# Altium PCB PCB-Tester-Relay-Board.PcbDoc (part 1 of 4) (continued)
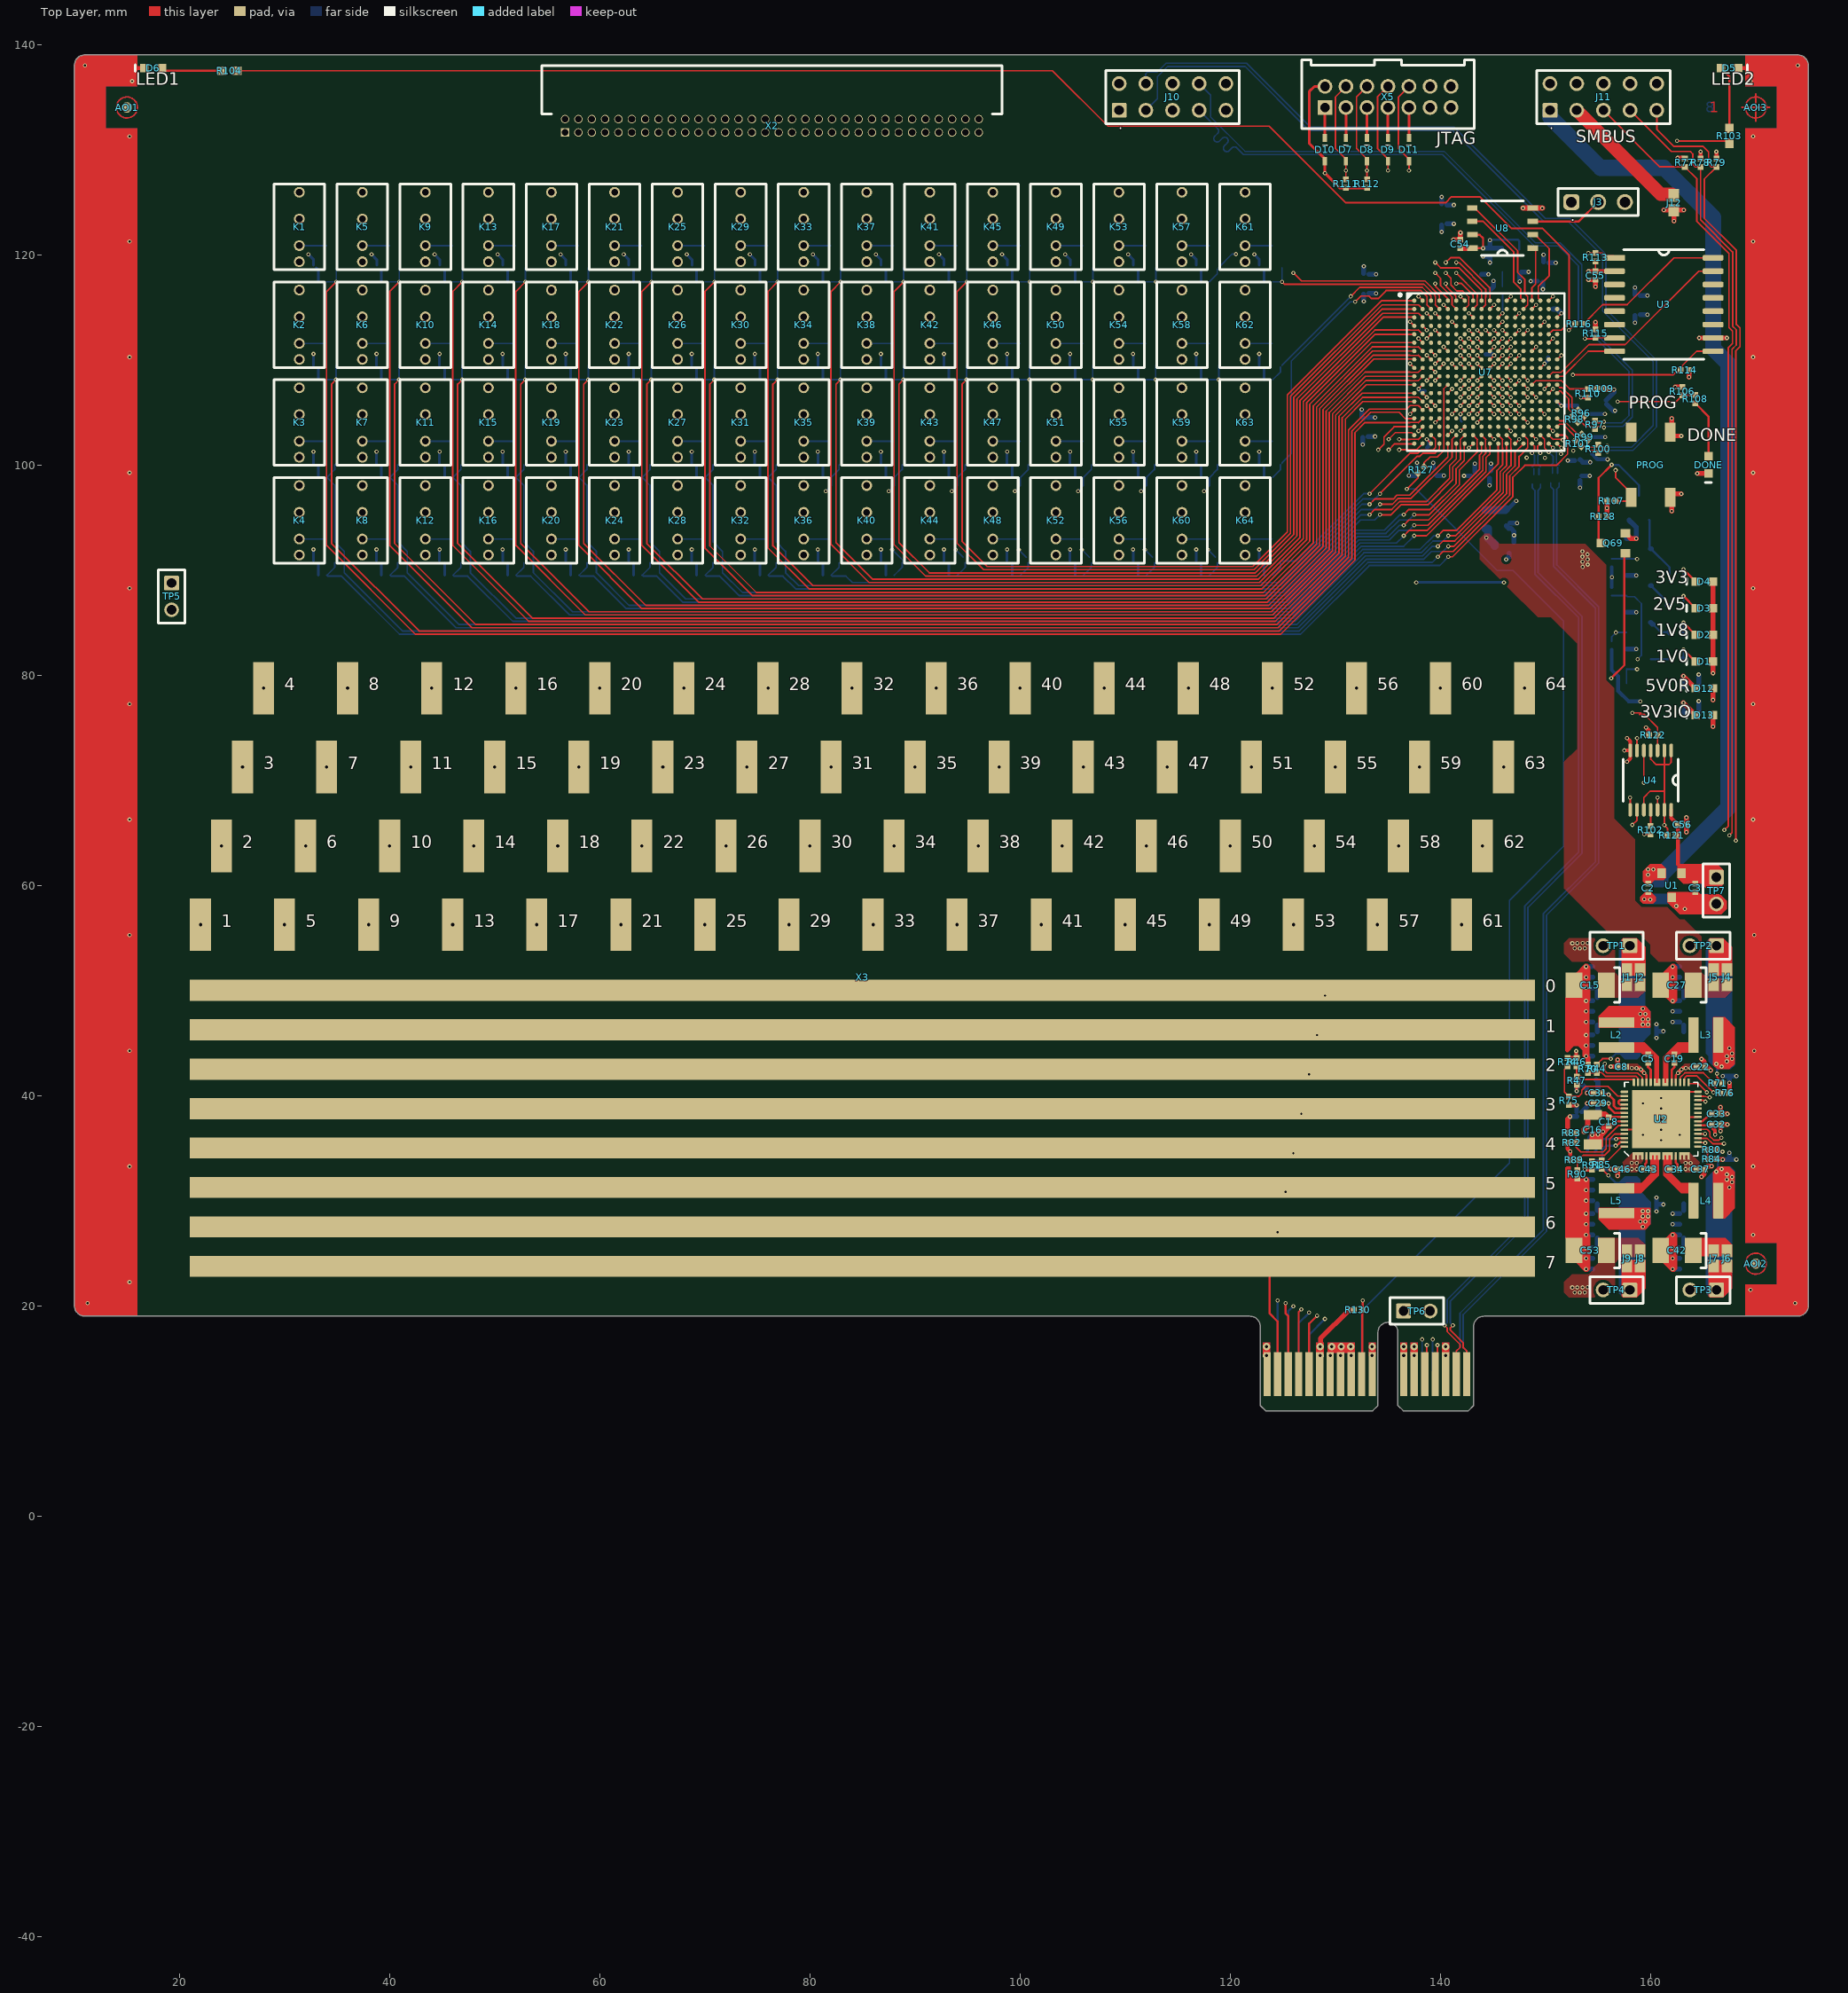
[diagram p0: Top Layer view]
## Components (designator, comment, footprint, x,y, rotation, side; value= is the part's Value field where it differs from the comment) (continued)
K53 "K" 118-1A 109.402,122.628 r90 top
K54 "K" 118-1A 109.402,113.326 r90 top
K55 "K" 118-1A 109.402,104.024 r90 top
K56 "K" 118-1A 109.402,94.722 r90 top
K57 "K" 118-1A 115.402,122.628 r90 top
K58 "K" 118-1A 115.402,113.326 r90 top
K59 "K" 118-1A 115.402,104.024 r90 top
K60 "K" 118-1A 115.402,94.722 r90 top
K61 "K" 118-1A 121.402,122.628 r90 top
K62 "K" 118-1A 121.402,113.326 r90 top
K63 "K" 118-1A 121.402,104.024 r90 top
K64 "K" 118-1A 121.402,94.722 r90 top
L1 "L" FB0805 144.277,94.817 r90 bottom
L2 "L" XAL4030 156.75,45.75 r90 top
L3 "L" XAL4030 165.25,45.75 r0 top
L4 "L" XAL4030 165.25,30 r0 top value=DNM
L5 "L" XAL4030 156.75,30 r270 top
PROG "SKQGABE010" SKQGABE010 160,100 r90 top
Q1 "Q" SOT23-3 33.966,119.896 r0 bottom
Q2 "Q" SOT23-3 33.966,110.594 r0 bottom
Q3 "Q" SOT23-3 33.966,101.292 r0 bottom
Q4 "Q" SOT23-3 33.966,91.99 r0 bottom
Q5 "Q" SOT23-3 39.966,119.896 r0 bottom
Q6 "Q" SOT23-3 39.966,110.594 r0 bottom
Q7 "Q" SOT23-3 39.966,101.292 r0 bottom
Q8 "Q" SOT23-3 39.966,91.99 r0 bottom
Q9 "Q" SOT23-3 45.966,119.896 r0 bottom
Q10 "Q" SOT23-3 45.966,110.594 r0 bottom
Q11 "Q" SOT23-3 45.966,101.292 r0 bottom
Q12 "Q" SOT23-3 45.966,91.99 r0 bottom
Q13 "Q" SOT23-3 51.966,119.896 r0 bottom
Q14 "Q" SOT23-3 51.966,110.594 r0 bottom
Q15 "Q" SOT23-3 51.966,101.292 r0 bottom
Q16 "Q" SOT23-3 51.966,91.99 r0 bottom
Q17 "Q" SOT23-3 57.941,119.896 r0 bottom
Q18 "Q" SOT23-3 57.966,110.594 r0 bottom
Q19 "Q" SOT23-3 57.966,101.292 r0 bottom
Q20 "Q" SOT23-3 57.966,92.072 r0 bottom
Q21 "Q" SOT23-3 63.986,119.896 r0 bottom
Q22 "Q" SOT23-3 63.955,110.594 r0 bottom
Q23 "Q" SOT23-3 63.963,101.292 r0 bottom
Q24 "Q" SOT23-3 63.966,92.072 r0 bottom
Q25 "Q" SOT23-3 69.991,119.896 r0 bottom
Q26 "Q" SOT23-3 69.92,110.594 r0 bottom
Q27 "Q" SOT23-3 69.889,101.292 r0 bottom
Q28 "Q" SOT23-3 69.966,91.99 r0 bottom
Q29 "Q" SOT23-3 76.076,119.896 r0 bottom
Q30 "Q" SOT23-3 75.926,110.594 r0 bottom
Q31 "Q" SOT23-3 75.966,101.292 r0 bottom
Q32 "Q" SOT23-3 75.966,91.99 r0 bottom
Q33 "Q" SOT23-3 81.941,119.896 r0 bottom
Q34 "Q" SOT23-3 81.966,110.594 r0 bottom
Q35 "Q" SOT23-3 81.966,101.292 r0 bottom
Q36 "Q" SOT23-3 82.023,91.99 r0 bottom
Q37 "Q" SOT23-3 87.924,119.896 r0 bottom
Q38 "Q" SOT23-3 87.974,110.594 r0 bottom
Q39 "Q" SOT23-3 87.946,101.292 r0 bottom
Q40 "Q" SOT23-3 87.919,91.99 r0 bottom
Q41 "Q" SOT23-3 93.976,119.896 r0 bottom
Q42 "Q" SOT23-3 93.929,110.594 r0 bottom
Q43 "Q" SOT23-3 93.94,101.292 r0 bottom
Q44 "Q" SOT23-3 93.966,91.99 r0 bottom
Q45 "Q" SOT23-3 99.95,119.896 r0 bottom
Q46 "Q" SOT23-3 99.962,110.594 r0 bottom
Q47 "Q" SOT23-3 99.966,101.292 r0 bottom
Q48 "Q" SOT23-3 99.966,91.99 r0 bottom
Q49 "Q" SOT23-3 105.966,119.896 r0 bottom
Q50 "Q" SOT23-3 105.966,110.594 r0 bottom
Q51 "Q" SOT23-3 105.966,101.292 r0 bottom
Q52 "Q" SOT23-3 105.966,91.99 r0 bottom
Q53 "Q" SOT23-3 111.966,119.896 r0 bottom
Q54 "Q" SOT23-3 111.966,110.594 r0 bottom
Q55 "Q" SOT23-3 111.966,101.292 r0 bottom
Q56 "Q" SOT23-3 111.966,91.99 r0 bottom
Q57 "Q" SOT23-3 117.966,119.896 r0 bottom
Q58 "Q" SOT23-3 117.966,110.594 r0 bottom
Q59 "Q" SOT23-3 117.966,101.292 r0 bottom
Q60 "Q" SOT23-3 117.966,91.99 r0 bottom
Q61 "Q" SOT23-3 123.966,119.896 r0 bottom
Q62 "Q" SOT23-3 123.966,110.594 r0 bottom
Q63 "Q" SOT23-3 123.966,101.292 r0 bottom
Q64 "Q" SOT23-3 123.966,91.99 r0 bottom
Q65 "Q" SOT23-3 158.85,81.5 r270 bottom
Q66 "Q" SOT23-3 158.85,85 r270 bottom
Q67 "Q" SOT23-3 158.85,88.5 r270 bottom
Q68 "Q" SOT23-3 158.85,92 r270 bottom
Q69 "Q" SOT23-3 156.45,92.55 r270 top
Q70 "Q" SOT23-3 158.9,95.9 r0 bottom
R1 "R" "R0402 Reflow" 33.625,117.406 r0 bottom value=4K7
R2 "R" "R0402 Reflow" 33.606,108.104 r0 bottom value=4K7
R3 "R" "R0402 Reflow" 33.625,98.802 r0 bottom value=4K7
R4 "R" "R0402 Reflow" 33.625,89.5 r0 bottom value=4K7
R5 "R" "R0402 Reflow" 39.625,117.406 r0 bottom value=4K7
R6 "R" "R0402 Reflow" 39.625,108.104 r0 bottom value=4K7
R7 "R" "R0402 Reflow" 39.606,98.802 r0 bottom value=4K7
R8 "R" "R0402 Reflow" 39.625,89.5 r0 bottom value=4K7
R9 "R" "R0402 Reflow" 45.625,117.406 r0 bottom value=4K7
R10 "R" "R0402 Reflow" 45.625,108.104 r0 bottom value=4K7
R11 "R" "R0402 Reflow" 45.625,98.802 r0 bottom value=4K7
R12 "R" "R0402 Reflow" 45.625,89.5 r0 bottom value=4K7
R13 "R" "R0402 Reflow" 51.625,117.406 r0 bottom value=4K7
R14 "R" "R0402 Reflow" 51.625,108.104 r0 bottom value=4K7
R15 "R" "R0402 Reflow" 51.625,98.802 r0 bottom value=4K7
R16 "R" "R0402 Reflow" 51.625,89.5 r0 bottom value=4K7
R17 "R" "R0402 Reflow" 57.625,117.406 r0 bottom value=4K7
R18 "R" "R0402 Reflow" 57.625,108.104 r0 bottom value=4K7
R19 "R" "R0402 Reflow" 57.625,98.802 r0 bottom value=4K7
R20 "R" "R0402 Reflow" 57.625,89.5 r0 bottom value=4K7
R21 "R" "R0402 Reflow" 63.625,117.406 r0 bottom value=4K7
R22 "R" "R0402 Reflow" 63.625,108.104 r0 bottom value=4K7
R23 "R" "R0402 Reflow" 63.625,98.802 r0 bottom value=4K7
R24 "R" "R0402 Reflow" 63.606,89.5 r0 bottom value=4K7
R25 "R" "R0402 Reflow" 69.625,117.406 r0 bottom value=4K7
R26 "R" "R0402 Reflow" 69.625,108.104 r0 bottom value=4K7
R27 "R" "R0402 Reflow" 69.625,98.802 r0 bottom value=4K7
R28 "R" "R0402 Reflow" 69.606,89.5 r0 bottom value=4K7
R29 "R" "R0402 Reflow" 75.625,117.406 r0 bottom value=4K7
R30 "R" "R0402 Reflow" 75.625,108.104 r0 bottom value=4K7
R31 "R" "R0402 Reflow" 75.625,98.802 r0 bottom value=4K7
R32 "R" "R0402 Reflow" 75.625,89.5 r0 bottom value=4K7
R33 "R" "R0402 Reflow" 81.625,117.406 r0 bottom value=4K7
R34 "R" "R0402 Reflow" 81.625,108.104 r0 bottom value=4K7
R35 "R" "R0402 Reflow" 81.625,98.802 r0 bottom value=4K7
R36 "R" "R0402 Reflow" 81.625,89.5 r0 bottom value=4K7
R37 "R" "R0402 Reflow" 87.625,117.406 r0 bottom value=4K7
R38 "R" "R0402 Reflow" 87.625,108.104 r0 bottom value=4K7
R39 "R" "R0402 Reflow" 87.625,98.802 r0 bottom value=4K7
R40 "R" "R0402 Reflow" 87.625,89.5 r0 bottom value=4K7
R41 "R" "R0402 Reflow" 93.625,117.406 r0 bottom value=4K7
R42 "R" "R0402 Reflow" 93.625,108.104 r0 bottom value=4K7
R43 "R" "R0402 Reflow" 145.9,116.555 r270 bottom value=33
R44 "R" "R0402 Reflow" 154.862,42.56 r90 top value=33
R45 "R" "R0402 Reflow" 157.3,79.199 r180 bottom value=10K
R46 "R" "R0402 Reflow" 152.956,43.179 r90 top value=10K
R47 "R" "R0402 Reflow" 152.962,41.421 r270 top value=DNM
R48 "R" "R0402 Reflow" 93.625,98.802 r0 bottom value=4K7
R49 "R" "R0402 Reflow" 93.625,89.5 r0 bottom value=4K7
R50 "R" "R0402 Reflow" 99.625,117.406 r0 bottom value=4K7
R51 "R" "R0402 Reflow" 99.625,108.104 r0 bottom value=4K7
R52 "R" "R0402 Reflow" 99.606,98.802 r0 bottom value=4K7
R53 "R" "R0402 Reflow" 99.625,89.5 r0 bottom value=4K7
R54 "R" "R0402 Reflow" 105.606,117.406 r0 bottom value=4K7
R55 "R" "R0402 Reflow" 105.606,108.104 r0 bottom value=4K7
R56 "R" "R0402 Reflow" 105.606,98.802 r0 bottom value=4K7
R57 "R" "R0402 Reflow" 105.606,89.5 r0 bottom value=4K7
R58 "R" "R0402 Reflow" 111.606,117.406 r0 bottom value=4K7
R59 "R" "R0402 Reflow" 111.606,108.104 r0 bottom value=4K7
R60 "R" "R0402 Reflow" 111.606,98.802 r0 bottom value=4K7
R61 "R" "R0402 Reflow" 111.606,89.5 r0 bottom value=4K7
R62 "R" "R0402 Reflow" 117.606,117.406 r0 bottom value=4K7
R63 "R" "R0402 Reflow" 117.606,108.104 r0 bottom value=4K7
R64 "R" "R0402 Reflow" 117.606,98.802 r0 bottom value=4K7
R65 "R" "R0402 Reflow" 117.606,89.5 r0 bottom value=4K7
R66 "R" "R0402 Reflow" 123.606,117.406 r0 bottom value=4K7
R67 "R" "R0402 Reflow" 123.606,108.104 r0 bottom value=4K7
R68 "R" "R0402 Reflow" 123.606,98.802 r0 bottom value=4K7
R69 "R" "R0402 Reflow" 123.606,89.5 r0 bottom value=4K7
R70 "R" "R0402 Reflow" 154.014,42.539 r270 top value=DNM
R71 "R" "R0402 Reflow" 166.4,41.177 r0 top value=33
R72 "R" "R0402 Reflow" 155.25,39.75 r270 bottom value=2R2
R73 "R" "R0402 Reflow" 156.3,82.804 r270 bottom value=10K
R74 "R" "R0402 Reflow" 152.089,43.179 r90 top value=10K
R75 "R" "R0402 Reflow" 152.216,39.513 r270 top value=DNM
R76 "R" "R0402 Reflow" 167.049,40.261 r180 top value=DNM
R77 "R" "R0402 Reflow" 163.25,128.75 r90 top value=10K
R78 "R" "R0402 Reflow" 164.75,128.75 r90 top value=10K
R79 "R" "R0402 Reflow" 166.25,128.75 r90 top value=10K
R80 "R" "R0402 Reflow" 165.785,34.849 r0 top value=DNM
R81 "R" "R0402 Reflow" 156.3,87.95 r90 bottom value=DNM
R82 "R" "R0402 Reflow" 152.492,35.528 r180 top value=DNM
R83 "R" "R0402 Reflow" 152.486,36.45 r180 top value=10K
R84 "R" "R0402 Reflow" 165.811,33.96 r180 top value=DNM
R85 "R" "R0402 Reflow" 155.348,33.41 r270 top value=1k
R86 "R" "R0402 Reflow" 154.305,34.678 r0 bottom value=10K
R87 "R" "R0402 Reflow" 154.429,33.356 r90 bottom value=10K
R88 "R" "R0402 Reflow" 156.3,90.65 r270 bottom value=10K
R89 "R" "R0402 Reflow" 152.736,33.867 r180 top value=10K
R90 "R" "R0402 Reflow" 153,32.5 r270 top value=DNM
R91 "R" "R0402 Reflow" 154.4,33.35 r90 top value=1k
R92 "R" "R0603 Reflow" 162.5,81.5 r0 bottom value=1k8
R93 "R" "R0603 Reflow" 162.5,84 r0 bottom value=1k8
R94 "R" "R0603 Reflow" 162.5,86.5 r0 bottom value=DNM
R95 "R" "R0603 Reflow" 162.5,89 r0 bottom value=1k8
R96 "R" "R0402 Reflow" 153.395,104.921 r315 top value=DNM
R97 "R" "R0402 Reflow" 154.695,103.821 r90 top value=DNM
R98 "R" "R0402 Reflow" 152.782,104.32 r315 top value=DNM
R99 "R" "R0402 Reflow" 153.713,102.622 r315 top value=DNM
R100 "R" "R0402 Reflow" 155.013,101.522 r90 top value=DNM
R101 "R" "R0402 Reflow" 153.1,102.021 r315 top value=DNM
R102 "R" "R0402 Reflow" 160,65.25 r90 top value=33
R103 "R" "R0603 Reflow" 167.5,131.3 r270 top value=1k8
R104 "R" "R0603 Reflow" 24.75,137.5 r0 top value=1k8
R105 "R" "R0402 Reflow" 142.4,104.121 r0 bottom value=4K7
R106 "R" "R0402 Reflow" 163,107 r90 top value=330
R107 "R" "R0402 Reflow" 156.25,96.55 r180 top value=4K7
R108 "R" "R0402 Reflow" 164.25,106.25 r270 top value=33
R109 "R" "R0402 Reflow" 155.302,107.221 r0 top value=330
R110 "R" "R0402 Reflow" 154.037,106.787 r90 top value=DNM
R111 "R" "R0402 Reflow" 131,126.75 r270 top value=4K7
R112 "R" "R0402 Reflow" 133,126.75 r270 top value=4K7
R113 "R" "R0402 Reflow" 154.75,119.75 r270 top value=4K7
R114 "R" "R0402 Reflow" 163.25,109 r0 top value=4K7
R115 "R" "R0402 Reflow" 154.75,112.5 r90 top value=4K7
R116 "R" "R0402 Reflow" 153.197,113.395 r0 top value=33
R117 "R" "R0402 Reflow" 150.491,98.668 r270 bottom value=1k
R118 "R" "R0402 Reflow" 151.291,98.668 r270 bottom value=1k
R119 "R" "R0402 Reflow" 148.724,98.571 r270 bottom value=1k
R120 "R" "R0402 Reflow" 149.524,98.571 r270 bottom value=1k
R121 "R" "R0402 Reflow" 162,64.75 r0 top value=10k
R122 "R" "R0402 Reflow" 160.25,74.3 r180 top value=4K7
R123 "R" "R0402 Reflow" 149.123,99.832 r0 bottom value=DNM
R124 "R" "R0402 Reflow" 150.891,99.942 r0 bottom value=DNM
R125 "R" "R0603 Reflow" 163.868,78.942 r180 bottom value=3k6
R126 "R" "R0603 Reflow" 163.868,76.407 r180 bottom value=1k8
R127 "R" "R0402 Reflow" 138.15,99.5 r45 top value=1k
R128 "R" "R0402 Reflow" 155.45,95.1 r180 top value=10K
R129 "R" "R0402 Reflow" 132.2,19.6 r0 bottom value=4K7
R130 "R" "R0402 Reflow" 132.15,19.6 r0 top value=4K7
TP1 "TP" "DualTestpoint 100mils" 156.75,54.25 r180 top
TP2 "TP" "DualTestpoint 100mils" 165,54.25 r180 top
TP3 "TP" "DualTestpoint 100mils" 165,21.5 r180 top
TP4 "TP" "DualTestpoint 100mils" 156.75,21.5 r180 top
TP5 "TP" "DualTestpoint 100mils" 19.25,87.48 r270 top
TP6 "TP" "DualTestpoint 100mils" 137.75,19.5 r0 top
TP7 "TP" "DualTestpoint 100mils" 166.25,59.5 r270 top
U1 "U" SOT23-3 162,60 r0 top
U2 "IRPS5401M" QFN4-7x7-56_IRPS5401M 161,37.75 r90 top
U3 "U" SOICW-16 161.25,115.25 r0 top
U4 "U" TSSOP14 160,70 r270 top
U7 "U" XC7A15T-1CSG324C 144.3,108.821 r0 top
U8 "U" "SOIC8 (R-8)" 145.9,122.521 r90 top
X2 "X" TFC-132-01-F-D-RA 76.379,132.253 r0 top
X3 "X" CONFIG64 85,67.5 r0 top
X4 "X" PCIE-036-02-F-D-Fingers 135,10 r180 bottom locked
X5 "X" LTMM-107-02-F-D 135,135 r0 top locked
Y1 "Y" 4SMD 146.717,119.404 r270 bottom

## Footprints (in the part's own frame and the unit in brackets; to place one, negate y for a bottom-side part, rotate by r counter-clockwise, add the part's x,y. Pads: shape width x height; smd on the part's side, far side on the other; paste and mask are expansions set on the pad)
4SMD [mm]
  rect 0.9x0.65 smd paste+0: 1(-1.05,-0.825) 2(1.05,-0.825) 3(1.05,0.825) 4(-1.05,0.825)
  silkscreen extent -1.1,-2.1 -0.9,-1.9, body extent -1.6,-1.25 1.6,1.25, height 1.2
118-1A [mil] "ATE Relay (NO)"
  round 40 hole 25: 1(-130,0) 2(-70,0) 3(30,0) 4(130,0)
  silkscreen extent -160,-95 160,95, body extent -160,-95 160,94, height 600
"C0402 Reflow" [mm] "SMT CAP 0402 Reflow Soldering"
  rect 0.55x0.55 smd: 1(-0.4,0) 2(0.4,0)
  body extent -0.5,-0.25 0.5,0.25, height 0.5
"C0805 Reflow" [mm] "SMT Capacitor 0805 Reflow Soldering"
  rect 0.95x1.35 smd: 1(-0.8,0) 2(0.8,0)
  body extent -1,-0.62 1,0.63, height 0.6
"C1206 Reflow" [mm] "SMT Capacitor 1206 Reflow Soldering"
  rect 0.95x1.7 smd: 1(-1.4,0) 2(1.4,0)
  body extent -1.6,-0.8 1.6,0.8, height 0.78
"C1210 Reflow" [mm] "SMT Capacitor 1210 Reflow Soldering"
  rect 1.1x2.6 smd: 1(-1.6,0) 2(1.6,0)
  body extent -1.6,-1.25 1.6,1.25, height 0.78
CAP_TAN_B [mm] "Tantalum capacitor in case B"
  rect 1.6x2.4 smd mask+0.05: 1(-1.55,0) 2(1.55,0)
  silkscreen extent -2.79,-1.65 -2.29,1.65, body extent -1.9,-1.5 1.9,1.5, height 2.1
CONFIG64 [mm] "PCB Tester Configuration area (64 relays)"
  rect 2x5 smd: 1(-63,-11.25) 2(-61,-3.75) 3(-59,3.75) 4(-57,11.25) 5(-55,-11.25) 6(-53,-3.75) 7(-51,3.75) 8(-49,11.25) 9(-47,-11.25) 10(-45,-3.75) 11(-43,3.75) 12(-41,11.25) 13(-39,-11.25) 14(-37,-3.75) 15(-35,3.75) 16(-33,11.25) 17(-31,-11.25) 18(-29,-3.75) 19(-27,3.75) 20(-25,11.25) 21(-23,-11.25) 22(-21,-3.75) 23(-19,3.75) 24(-17,11.25) 25(-15,-11.25) 26(-13,-3.75) 27(-11,3.75) 28(-9,11.25) 29(-7,-11.25) 30(-5,-3.75) 31(-3,3.75) 32(-1,11.25) 33(1,-11.25) 34(3,-3.75) 35(5,3.75) 36(7,11.25) 37(9,-11.25) 38(11,-3.75) 39(13,3.75) 40(15,11.25) 41(17,-11.25) 42(19,-3.75) 43(21,3.75) 44(23,11.25) 45(25,-11.25) 46(27,-3.75) 47(29,3.75) 48(31,11.25) 49(33,-11.25) 50(35,-3.75) 51(37,3.75) 52(39,11.25) 53(41,-11.25) 54(43,-3.75) 55(45,3.75) 56(47,11.25) 57(49,-11.25) 58(51,-3.75) 59(53,3.75) 60(55,11.25) 61(57,-11.25) 62(59,-3.75) 63(61,3.75) 64(63,11.25)
  rect 128x2 smd paste-100: ABUS0(0,-17.5) ABUS1(0,-21.25) ABUS2(0,-25) ABUS3(0,-28.75) ABUS4(0,-32.5) ABUS5(0,-36.25) ABUS6(0,-40) ABUS7(0,-43.75)
"DualTestpoint 100mils" [mm] "Testpoint"
  rrect15% 1.4x1.4 hole 0.9: 1(-1.27,0)
  round 1.4 hole 0.9: 2(1.27,0)
  silkscreen extent -2.54,-1.27 2.54,1.27
FB0805 [mm] "SMT Ferrite Bead 0805"
  rect 0.8x1.3 smd: 1(-0.9,0) 2(0.9,0)
  body extent -1.15,-0.63 1.15,0.64, height 1.05
"Fiducial Cross" [mm]
  Top Layer circle w0.15: c0,0 r1
  Top Layer lines w0.15: 0,1.3 0,-1.3 ; -1.3,0 1.3,0
"Fiducial Point" [mm]
  round 1 smd paste+0 mask+0: 0(0,0)
  Top Layer circle w0.15: c0,0 r1
"Header 100mil 3x1" [mil] "HMTSW-103-07-G-S-240"
  rrect50% 60x60 hole 40: 1(-100,0)
  round 60 hole 40: 2(0,0) 3(100,0)
  silkscreen extent -150,-50 150,50, body extent -150,-49 150,49, height 340
"Header 100mil 5x2" [mm]
  rrect15% 1.4x1.4 hole 0.9: 1(-5.08,-1.27)
  round 1.4 hole 0.9: 2(-5.08,1.27) 3(-2.54,-1.27) 4(-2.54,1.27) 5(0,-1.27) 6(0,1.27) 7(2.54,-1.27) 8(2.54,1.27) 9(5.08,-1.27) 10(5.08,1.27)
  silkscreen extent -6.35,-2.54 6.35,2.51, body extent -6.35,-2.51 6.35,2.51, height 8.64
JumperSMD [mm] "Chip Resistor, Body 1.6x0.8mm (LxW typ), IPC High Density"
  rect 1.2x1 smd: 1(-0.711,0) 2(0.711,0)
  body extent -0.89,-0.4 0.71,0.4, height 0.45
L0603G [mm] "LTST-C191KGKT"
  rect 0.8x0.8 smd: 1(-0.825,0) 2(0.825,0)
  silkscreen extent 1.7,-0.3 1.7,0.3, body extent -0.8,-0.4 0.8,0.4, height 0.8
LTMM-107-02-F-D [mm] "CONN HEADER VERT 14POS 2MM (Xilinx JTAG)"
  rect 1.4x1.4 hole 0.9 paste+0: 1(-6,-1)
  round 1.4 hole 0.9 paste+0: 2(-6,1) 3(-4,-1) 4(-4,1) 5(-2,-1) 6(-2,1) 7(0,-1) 8(0,1) 9(2,-1) 10(2,1) 11(4,-1) 12(4,1) 13(6,-1) 14(6,1)
  silkscreen extent -8.19,-3.01 8.19,3.52, body extent -8.19,-3.01 8.19,3.52, height 4.83
PCIE-036-02-F-D-Fingers [mm] "PCB contacts for PCIE-036-02-F-D-TH"
  rect 0.7x3.2 smd paste-2: A1(11.5,4)
  rect 0.7x4.2 smd paste-2: A2(10.5,3.5) A3(9.5,3.5) A4(8.5,3.5) A5(7.5,3.5) A6(6.5,3.5) A7(5.5,3.5) A8(4.5,3.5) A9(3.5,3.5) A10(2.5,3.5) A11(1.5,3.5) A12(-1.5,3.5) A13(-2.5,3.5) A14(-3.5,3.5) A15(-4.5,3.5) A16(-5.5,3.5) A17(-6.5,3.5) A18(-7.5,3.5)
  rect 0.7x4.2 smd far side paste-2: B1(11.5,3.5) B2(10.5,3.5) B3(9.5,3.5) B4(8.5,3.5) B5(7.5,3.5) B6(6.5,3.5) B7(5.5,3.5) B8(4.5,3.5) B9(3.5,3.5) B10(2.5,3.5) B11(1.5,3.5) B12(-1.5,3.5) B13(-2.5,3.5) B14(-3.5,3.5) B15(-4.5,3.5) B16(-5.5,3.5) B17(-6.5,3.5) B18(-7.5,3.5)
QFN4-7x7-56_IRPS5401M [mm] "QFN, 7x7mm, 56 pins, pitch 0.4mm, IRPS5401 version"
  rrect33% 0.7x0.22 smd: 1(-3.5,1.8) 1(-3.5,2.2) 4(-3.5,1.4) 5(-3.5,0.2) 5(-3.5,0.6) 5(-3.5,1) 8(-3.5,-1) 8(-3.5,-0.6) 8(-3.5,-0.2) 11(-3.5,-1.4) 12(-3.5,-2.6) 12(-3.5,-2.2) 12(-3.5,-1.8) 29(3.5,-2.6) 30(3.5,-2.2) 31(3.5,-1.8) 32(3.5,-1.4) 33(3.5,-1) 34(3.5,-0.6) 34(3.5,-0.2) 36(3.5,0.2) 36(3.5,0.6) 38(3.5,1) 39(3.5,1.4) 40(3.5,1.8) 41(3.5,2.2) 42(3.5,2.6)
  rect 0.7x0.22 smd: 1(-3.5,2.6)
  rect 0.31x1.02 smd: 1(-3.3,2.2) 5(-3.3,0.6) 8(-3.3,-0.6) 12(-3.3,-2.2)
  rrect33% 0.22x0.7 smd: 15(-2.6,-3.5) 16(-2.2,-3.5) 17(-1.8,-3.5) 18(-1.4,-3.5) 19(-1,-3.5) 20(-0.6,-3.5) 21(-0.2,-3.5) 22(0.2,-3.5) 23(0.6,-3.5) 24(1,-3.5) 25(1.4,-3.5) 26(1.8,-3.5) 27(2.2,-3.5) 28(2.6,-3.5) 43(2.6,3.5) 44(2.2,3.5) 45(1.8,3.5) 46(1.4,3.5) 47(1,3.5) 48(0.6,3.5) 49(0.2,3.5) 50(-0.2,3.5) 51(-0.6,3.5) 52(-1,3.5) 53(-1.4,3.5) 54(-1.8,3.5) 55(-2.2,3.5) 56(-2.6,3.5)
  rect 0.31x0.62 smd: 34(3.3,-0.4) 36(3.3,0.4)
  rect 5.5x5.5 smd: 57(0,0)
  silkscreen extent -3.5,-3.5 3.5,3.5, body extent -3.5,-3.5 3.5,3.5, height 1
"R0402 Reflow" [mm] "SMT Resistor 0402 Reflow Soldering"
  rect 0.55x0.55 smd: 1(-0.4,0) 2(0.4,0)
  body extent -0.5,-0.25 0.5,0.25, height 0.35
"R0603 Reflow" [mm] "SMT Resistor 0603 Reflow Soldering"
  rect 0.9x0.8 smd: 1(-0.7,0) 2(0.7,0)
  body extent -0.8,-0.4 0.8,0.4, height 0.45
SKQGABE010 [mm] "5.2mm square low-profile TACT switch"
  rect 1.8x1 smd: 1(-3.1,1.85) 2(3.1,1.85) 3(-3.1,-1.85) 4(3.1,-1.85)
  body extent -3.2,-2.6 3.2,2.6, height 1.5
SOD323 [mm] "Plastic surface-mounted package; 2 leads"
  rect 0.8x0.4 smd: 1(-1.1,0) 2(1.1,0)
  silkscreen extent -0.4,-0.2 -0.4,0.2, body extent -1.35,-0.7 1.35,0.7, height 1.01
"SOIC8 (R-8)" [mil] "Generic 8 lead SOIC Narrow Body"
  rect 20x39 smd: 1(-75,-113) 2(-25,-113) 3(25,-113) 4(75,-113) 5(75,113) 6(25,113)
  rect 20x40 smd: 7(-25,113) 8(-75,113)
  silkscreen extent -102,-79 102,79, body extent -98,-122 98,122, height 69
SOICW-16 [mm] "16-lead wide SOIC package"
  rect 1.98x0.53 smd: 1(-4.685,4.445)
  rrect50% 1.98x0.53 smd: 2(-4.685,3.175) 3(-4.685,1.905) 4(-4.685,0.635) 5(-4.685,-0.635) 6(-4.685,-1.905) 7(-4.685,-3.175) 8(-4.685,-4.445) 9(4.685,-4.445) 10(4.685,-3.175) 11(4.685,-1.905) 12(4.685,-0.635) 13(4.685,0.635) 14(4.685,1.905) 15(4.685,3.175) 16(4.685,4.445)
  silkscreen extent -3.81,-5.21 3.81,5.21, body extent -5.33,-5.25 5.33,5.25, height 2.66
SOT23-3 [mm]
  rect 0.8x0.9 smd mask+0.1: 1(0.95,1.15) 2(-0.95,1.15) 3(0,-1.15)
  body extent -1.45,-1.4 1.45,1.4, height 1.3
TFC-132-01-F-D-RA [mm] "64 pin box header right angled"
  rect 0.8x0.8 hole 0.635 paste+0: 1(-19.685,-0.635)
  round 0.8 hole 0.635 paste+0: 2(-19.685,0.635) 3(-18.415,-0.635) 4(-18.415,0.635) 5(-17.145,-0.635) 6(-17.145,0.635) 7(-15.875,-0.635) 8(-15.875,0.635) 9(-14.605,-0.635) 10(-14.605,0.635) 11(-13.335,-0.635) 12(-13.335,0.635) 13(-12.065,-0.635) 14(-12.065,0.635) 15(-10.795,-0.635) 16(-10.795,0.635) 17(-9.525,-0.635) 18(-9.525,0.635) 19(-8.255,-0.635) 20(-8.255,0.635) 21(-6.985,-0.635) 22(-6.985,0.635) 23(-5.715,-0.635) 24(-5.715,0.635) 25(-4.445,-0.635) 26(-4.445,0.635) 27(-3.175,-0.635) 28(-3.175,0.635) 29(-1.905,-0.635) 30(-1.905,0.635) 31(-0.635,-0.635) 32(-0.635,0.635) 33(0.635,-0.635) 34(0.635,0.635) 35(1.905,-0.635) 36(1.905,0.635) 37(3.175,-0.635) 38(3.175,0.635) 39(4.445,-0.635) 40(4.445,0.635) 41(5.715,-0.635) 42(5.715,0.635) 43(6.985,-0.635) 44(6.985,0.635) 45(8.255,-0.635) 46(8.255,0.635) 47(9.525,-0.635) 48(9.525,0.635)
  round 0.8 hole 0.635 paste-1: 49(10.795,-0.635) 50(10.795,0.635) 51(12.065,-0.635) 52(12.065,0.635) 53(13.335,-0.635) 54(13.335,0.635) 55(14.605,-0.635) 56(14.605,0.635) 57(15.875,-0.635) 58(15.875,0.635) 59(17.145,-0.635) 60(17.145,0.635) 61(18.415,-0.635) 62(18.415,0.635) 63(19.685,-0.635) 64(19.685,0.635)
  silkscreen extent -21.91,1.14 21.91,5.73, body extent -21.91,-0.76 21.91,6.73, height 5.71
TSSOP14 [mm]
  oval 1.3x0.35 smd: 1(-2.825,1.95) 2(-2.825,1.3) 3(-2.825,0.65) 4(-2.825,0) 5(-2.825,-0.65) 6(-2.825,-1.3) 7(-2.825,-1.95) 8(2.825,-1.95) 9(2.825,-1.3) 10(2.825,-0.65) 11(2.825,0) 12(2.825,0.65) 13(2.825,1.3) 14(2.825,1.95)
  silkscreen extent -2,-2.6 2,2.6, body extent -2.25,-2.55 2.25,2.55, height 1.1
XAL4030 [mm] "Shielded Power Inductor"
  rrect12% 0.98x3.4 smd: 1(-1.185,0) 2(1.185,0)
  body extent -2.15,-2.15 2.15,2.15, height 3.1
XC7A15T-1CSG324C [mm] "BGA, 324-Leads, Body 15.00x15.00mmx1.50mm, Pitch 0.80mm"
  round 0.41 smd: A1(-6.8,6.8) A2(-6,6.8) A3(-5.2,6.8) A4(-4.4,6.8) A5(-3.6,6.8) A6(-2.8,6.8) A7(-2,6.8) A8(-1.2,6.8) A9(-0.4,6.8) A10(0.4,6.8) A11(1.2,6.8) A12(2,6.8) A13(2.8,6.8) A14(3.6,6.8) A15(4.4,6.8) A16(5.2,6.8) A17(6,6.8) A18(6.8,6.8) B1(-6.8,6) B2(-6,6) B3(-5.2,6) B4(-4.4,6) B5(-3.6,6) B6(-2.8,6) B7(-2,6) B8(-1.2,6) B9(-0.4,6) B10(0.4,6) B11(1.2,6) B12(2,6) B13(2.8,6) B14(3.6,6) B15(4.4,6) B16(5.2,6) B17(6,6) B18(6.8,6) C1(-6.8,5.2) C2(-6,5.2) C3(-5.2,5.2) C4(-4.4,5.2) C5(-3.6,5.2) C6(-2.8,5.2) C7(-2,5.2) C8(-1.2,5.2) C9(-0.4,5.2) C10(0.4,5.2) C11(1.2,5.2) C12(2,5.2) C13(2.8,5.2) C14(3.6,5.2) C15(4.4,5.2) C16(5.2,5.2) C17(6,5.2) C18(6.8,5.2) D1(-6.8,4.4) D2(-6,4.4) D3(-5.2,4.4) D4(-4.4,4.4) D5(-3.6,4.4) D6(-2.8,4.4) D7(-2,4.4) D8(-1.2,4.4) D9(-0.4,4.4) D10(0.4,4.4) D11(1.2,4.4) D12(2,4.4) D13(2.8,4.4) D14(3.6,4.4) D15(4.4,4.4) D16(5.2,4.4) D17(6,4.4) D18(6.8,4.4) E1(-6.8,3.6) E2(-6,3.6) E3(-5.2,3.6) E4(-4.4,3.6) E5(-3.6,3.6) E6(-2.8,3.6) E7(-2,3.6) E8(-1.2,3.6) E9(-0.4,3.6) E10(0.4,3.6) E11(1.2,3.6) E12(2,3.6) E13(2.8,3.6) E14(3.6,3.6) E15(4.4,3.6) E16(5.2,3.6) E17(6,3.6) E18(6.8,3.6) F1(-6.8,2.8) F2(-6,2.8) F3(-5.2,2.8) F4(-4.4,2.8) F5(-3.6,2.8) F6(-2.8,2.8) F7(-2,2.8) F8(-1.2,2.8) F9(-0.4,2.8) F10(0.4,2.8) F11(1.2,2.8) F12(2,2.8) F13(2.8,2.8) F14(3.6,2.8) F15(4.4,2.8) F16(5.2,2.8) F17(6,2.8) F18(6.8,2.8) G1(-6.8,2) G2(-6,2) G3(-5.2,2) G4(-4.4,2) G5(-3.6,2) G6(-2.8,2) G7(-2,2) G8(-1.2,2) G9(-0.4,2) G10(0.4,2) G11(1.2,2) G12(2,2) G13(2.8,2) G14(3.6,2) G15(4.4,2) G16(5.2,2) G17(6,2) G18(6.8,2) H1(-6.8,1.2) H2(-6,1.2) H3(-5.2,1.2) H4(-4.4,1.2) H5(-3.6,1.2) H6(-2.8,1.2) H7(-2,1.2) H8(-1.2,1.2) H9(-0.4,1.2) H10(0.4,1.2) H11(1.2,1.2) H12(2,1.2) H13(2.8,1.2) H14(3.6,1.2) H15(4.4,1.2) H16(5.2,1.2) H17(6,1.2) H18(6.8,1.2) J1(-6.8,0.4) J2(-6,0.4) J3(-5.2,0.4) J4(-4.4,0.4) J5(-3.6,0.4) J6(-2.8,0.4) J7(-2,0.4) J8(-1.2,0.4) J9(-0.4,0.4) J10(0.4,0.4) J11(1.2,0.4) J12(2,0.4) J13(2.8,0.4) J14(3.6,0.4) J15(4.4,0.4) J16(5.2,0.4) J17(6,0.4) J18(6.8,0.4) K1(-6.8,-0.4) K2(-6,-0.4) K3(-5.2,-0.4) K4(-4.4,-0.4) K5(-3.6,-0.4) K6(-2.8,-0.4) K7(-2,-0.4) K8(-1.2,-0.4) K9(-0.4,-0.4) K10(0.4,-0.4) K11(1.2,-0.4) K12(2,-0.4) K13(2.8,-0.4) K14(3.6,-0.4) K15(4.4,-0.4) K16(5.2,-0.4) K17(6,-0.4) K18(6.8,-0.4) L1(-6.8,-1.2) L2(-6,-1.2) L3(-5.2,-1.2) L4(-4.4,-1.2) L5(-3.6,-1.2) L6(-2.8,-1.2) L7(-2,-1.2) L8(-1.2,-1.2) L9(-0.4,-1.2) L10(0.4,-1.2) L11(1.2,-1.2) L12(2,-1.2) L13(2.8,-1.2) L14(3.6,-1.2) L15(4.4,-1.2) L16(5.2,-1.2) L17(6,-1.2) L18(6.8,-1.2) M1(-6.8,-2) M2(-6,-2) M3(-5.2,-2) M4(-4.4,-2) M5(-3.6,-2) M6(-2.8,-2) M7(-2,-2) M8(-1.2,-2) M9(-0.4,-2) M10(0.4,-2) M11(1.2,-2) M12(2,-2) M13(2.8,-2) M14(3.6,-2) M15(4.4,-2) M16(5.2,-2) M17(6,-2) M18(6.8,-2) N1(-6.8,-2.8) N2(-6,-2.8) N3(-5.2,-2.8) N4(-4.4,-2.8) N5(-3.6,-2.8) N6(-2.8,-2.8) N7(-2,-2.8) N8(-1.2,-2.8) N9(-0.4,-2.8) N10(0.4,-2.8) N11(1.2,-2.8) N12(2,-2.8) N13(2.8,-2.8) N14(3.6,-2.8) N15(4.4,-2.8) N16(5.2,-2.8) N17(6,-2.8) N18(6.8,-2.8) P1(-6.8,-3.6) P2(-6,-3.6) P3(-5.2,-3.6) P4(-4.4,-3.6) P5(-3.6,-3.6) P6(-2.8,-3.6) P7(-2,-3.6) P8(-1.2,-3.6) P9(-0.4,-3.6) P10(0.4,-3.6) P11(1.2,-3.6) P12(2,-3.6) P13(2.8,-3.6) P14(3.6,-3.6) P15(4.4,-3.6) P16(5.2,-3.6) P17(6,-3.6) P18(6.8,-3.6) R1(-6.8,-4.4) R2(-6,-4.4) R3(-5.2,-4.4) R4(-4.4,-4.4) R5(-3.6,-4.4) R6(-2.8,-4.4) R7(-2,-4.4) R8(-1.2,-4.4) R9(-0.4,-4.4) R10(0.4,-4.4) R11(1.2,-4.4) R12(2,-4.4) R13(2.8,-4.4) R14(3.6,-4.4) R15(4.4,-4.4) R16(5.2,-4.4) R17(6,-4.4) R18(6.8,-4.4) T1(-6.8,-5.2) T2(-6,-5.2) T3(-5.2,-5.2) T4(-4.4,-5.2) T5(-3.6,-5.2) T6(-2.8,-5.2) T7(-2,-5.2) T8(-1.2,-5.2) T9(-0.4,-5.2) T10(0.4,-5.2) T11(1.2,-5.2) T12(2,-5.2) T13(2.8,-5.2) T14(3.6,-5.2) T15(4.4,-5.2) T16(5.2,-5.2) T17(6,-5.2) T18(6.8,-5.2) U1(-6.8,-6) U2(-6,-6) U3(-5.2,-6) U4(-4.4,-6) U5(-3.6,-6) U6(-2.8,-6) U7(-2,-6) U8(-1.2,-6) U9(-0.4,-6) U10(0.4,-6) U11(1.2,-6) U12(2,-6) U13(2.8,-6) U14(3.6,-6) U15(4.4,-6) U16(5.2,-6) U17(6,-6) U18(6.8,-6) V1(-6.8,-6.8) V2(-6,-6.8) V3(-5.2,-6.8) V4(-4.4,-6.8) V5(-3.6,-6.8) V6(-2.8,-6.8) V7(-2,-6.8) V8(-1.2,-6.8) V9(-0.4,-6.8) V10(0.4,-6.8) V11(1.2,-6.8) V12(2,-6.8) V13(2.8,-6.8) V14(3.6,-6.8) V15(4.4,-6.8) V16(5.2,-6.8) V17(6,-6.8) V18(6.8,-6.8)
  silkscreen extent -8.27,-7.5 7.5,7.5, body extent -7.5,-7.5 7.5,7.5, height 1.5